# Allegro board A523-EVB-AXP717C-LPDDR4-4X-32X1-V1-0.brd (continued)
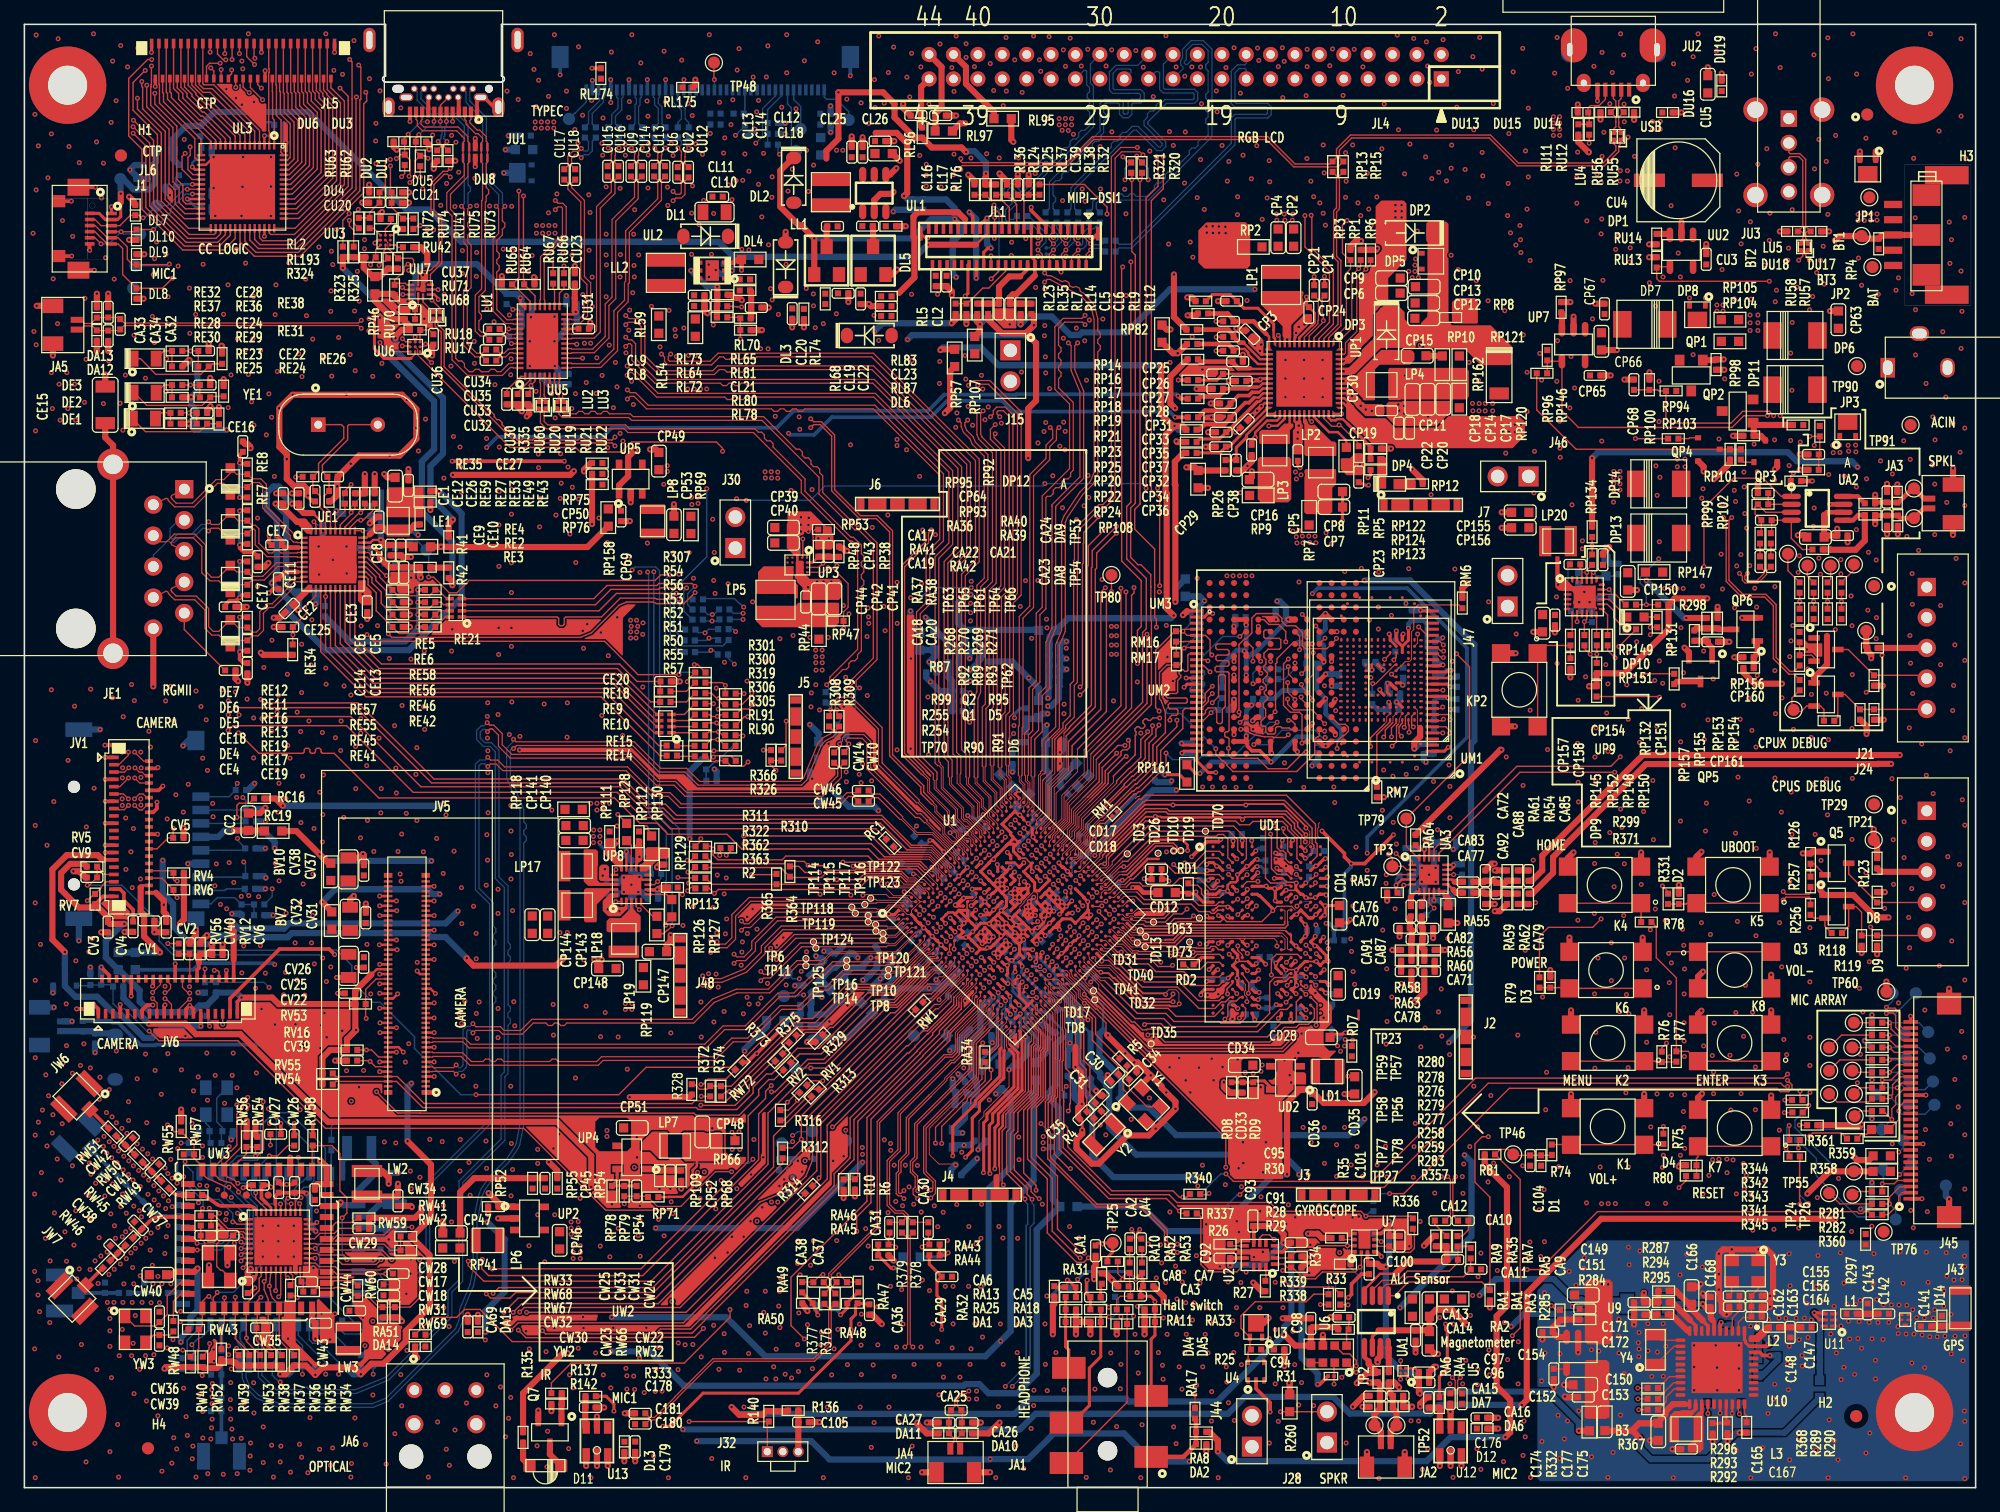
[diagram p0: board, top side]
## Nets (continued)
NDQ3: U1.N28(PC13/NAND-DQ3/SDC2-D1/PC-EINT13) UM1.H4(DAT1) UM2.D5(IO3/DQ3-1) UM2.P9(IO3/DQ3-0) UM3.32(IO3)
NDQ4: U1.P27(PC11/NAND-DQ4/SDC2-D5/SPIF-D4/P) UM1.J4(DAT5) UM2.D9(IO4/DQ4-1) UM2.P5(IO4/DQ4-0) UM3.41(IO4)
NDQ5: U1.P28(PC10/NAND-DQ5/SDC2-D0/SPIF-D5/P) UM1.H3(DAT0) UM2.E10(IO5/DQ5-1) UM2.N4(IO5/DQ5-0) UM3.42(IO5)
NDQ6: U1.R27(PC9/NAND-DQ6/SDC2-D4/SPIF-D6/PC) UM1.J3(DAT4) UM2.F10(IO6/DQ6-1) UM2.M4(IO6/DQ6-0) UM3.43(IO6)
NDQ7: U1.R28(PC8/NAND-DQ7/SDC2-D3/SPIF-D7/PC) UM1.J2(DAT3) UM2.F11(IO7/DQ7-1) UM2.M3(IO7/DQ7-0) UM3.44(IO7)
NDQS: U1.N29(PC12/NAND-DQS/SPI0-CLK/SPIF-CLK) UM2.E6(DQS-1) UM2.N8(DQS-0) UM3.35(NC16)
NQON: RP145.2 UP9.7(NQON)
NRB0: RM9.1 RM15.1 RM17.2 U1.R29(PC6/NAND-RB0/SDC2-CMD/PC-EINT6) UM1.W5(CMD) UM2.J5(RB0#-0) UM3.7(RB1#)
NRB1: RM3.1 RM14.1 RM16.2 U1.R25(PC7/NAND-RB1/SPI0-CS1/SPIF-DQS/) UM2.J9(RB0#-1) UM3.4(RB4#) UM3.5(RB3#)
NRBX: RM16.1 RM17.1 UM3.6(RB2#)
NRE: RM1.2 UM1.W6(CLK) UM2.E8(RE#/W/R#-1) UM2.N6(RE#/W/R#-0) UM3.8(RE#)
NWE: RM10.1 U1.R24(PC0/NAND-WE/SDC2-DS/PC-EINT0) UM1.R5(RFU/DATA STROBE) UM2.F8(WE#/CLK-1) UM2.M6(WE#/CLK-0) UM3.18(WE#)
NWP: CM17.1 RM13.1 UM2.H5(WP#-1) UM2.K9(WP#-0) UM3.19(WP#)
OTG-EN: QP4.3(C) RP96.1 RP99.1 RP102.1
OWA-OUT: R300.1 RA51.1
PA-EN: R357.1 R361.2
PA-SHDN: R301.1 R361.1 RA3.2 RA36.2 UA1.1(EN) UA2.1(EN)
PA-VDD: BA1.2 CA13.1 CA14.1 CA21.1 CA22.1 UA1.6(VDD) UA2.6(VDD)
PB13: R320.1 RL187.1 U1.L28(PB13/TWI4-SCK/UART7-TX/SPI1-MOS)
PB14: R321.1 RL188.1 U1.L29(PB14/TWI4-SDA/UART7-RX/SPI1-MIS)
PCIE21-CLKREQN: R317.1 RW70.1 RW73.2
PCIE21-CLKREQN-1V8: RW70.2 UW1.37(PCIE_CLKREQ_L)
PCIE21-PERSTN: R315.1 RW19.1
PCIE21-PERSTN-1V8: RW19.2 UW1.12(PCIE_PERST_L)
PCIE21-RDN: CW13.2 R308.1
PCIE21-RDP: CW9.2 R309.1
PCIE21-REFCLKN: CW46.2 U1.C14(PCIE-REF-CLKN)
PCIE21-REFCLKP: CW45.2 U1.B14(PCIE-REF-CLKP)
PCIE21-REXT: R20.2 U1.E14(PCIE-REXT)
PCIE21-TEST: J15.2 U1.F14(PCIE-TEST)
PCIE21-WAKEN: R316.1 RW71.1 RW72.1
PCIE21-WAKEN-1V8: RW71.2 UW1.24(PCIE_PME_L)
PCIE-RDN: CW14.1 UW1.44(PCIE_RX_N)
PCIE-RDP: CW10.1 UW1.45(PCIE_RX_P)
PCIE-REFCLKN: CW46.1 UW1.33(PCIE_RCLK_N)
PCIE-REFCLKP: CW45.1 UW1.35(PCIE_RCLK_P)
PCIE-TDN: CW13.1 UW1.46(PCIE_TX_N)
PCIE-TDP: CW9.1 UW1.47(PCIE_TX_P)
PE1: R328.2 R372.1 R374.1 U1.J2(PE1/TWI2-SCK/UART4-TX/PE-EINT1)
PE2: R329.2 R373.1 R375.1 U1.K2(PE2/TWI2-SDA/UART4-RX/PE-EINT2)
PE10: TP109.1(TP) U1.N1(PE10/MCSI3-MCLK/PWM-3/NCSI-D12/)
PG2: R312.2 R315.2 U1.P3(PG2/SDC1-D0/PCIE0-PERSTN/PG-EIN)
PG3: R313.2 R316.2 U1.P2(PG3/SDC1-D1/PCIE0-WAKEN/PG-EINT)
PG4: R314.2 R317.2 U1.T3(PG4/SDC1-D2/PCIE0-CLKREQN/PG-EI)
PG10: TP87.1(TP) U1.U1(PG10/I2S1-MCLK/PG-EINT10)
PH0: R45.1 RL88.1 U1.F10(PH0/TWI0-SCK/RGMII0-RXD1/RMII0-)
PH1: R46.1 RL89.1 U1.E10(PH1/TWI0-SDA/RGMII0-RXD0/RMII0-)
PH2: R48.1 R310.2 U1.D10(PH2/TWI1-SCK/CPU-CUR-W/I2S2-DIN)
PH3: R49.1 R311.2 U1.B10(PH3/TWI1-SDA/IR-TX/I2S2-DIN2/RG)
PH4: R52.1 R319.2 U1.A10(PH4/UART3-TX/SPI1-CS0/CPU-CUR-W)
PH5: R53.1 R322.2 U1.B9(PH5/UART3-RX/SPI1-CLK/LEDC/RGMI)
PH6: R54.1 R301.2 U1.C9(PH6/UART3-RTS/SPI1-MOSI/OWA-IN/)
PH7: R56.1 R300.2 U1.F8(PH7/UART3-CTS/SPI1-MISO/OWA-OUT)
PH8: R326.2 R366.1 U1.E8(PH8/DMIC-CLK/SPI2-CS0/I2S2-MCLK)
PH9: R57.1 RL90.1 U1.D8(PH9/DMIC-DATA0/SPI2-CLK/I2S2-BC)
PH10: R55.1 RL91.1 U1.B8(PH10/DMIC-DATA1/SPI2-MOSI/I2S2-)
PH11: R362.2 R364.1 U1.A8(PH11/DMIC-DATA2/SPI2-MISO/I2S2-)
PH12: R363.2 R365.1 U1.C7(PH12/DMIC-DATA3/TWI3-SCK/I2S2-D)
PH13: R2.2 R59.1 U1.B7(PH13/TWI3-SDA/I2S3-MCLK/RGMII0-)
PH14: R1.2 R43.1 U1.A6(PH14/I2S3-BCLK/RGMII0-RXD3/RMII)
PH15: R3.2 R44.1 U1.B6(PH15/I2S3-LRCK/RGMII0-RXD2/RMII)
PH16: R47.1 R304.2 U1.A5(PH16/I2S3-DOUT0/I2S3-DIN1/RGMII)
PH17: R50.1 R305.2 U1.B5(PH17/I2S3-DOUT1/I2S3-DIN0/RGMII)
PH18: R51.1 R306.2 U1.D6(PH18/IR-TX/I2S3-DOUT2/I2S3-DIN2)
PH19: R58.1 R307.2 U1.E6(PH19/IR-RX/I2S3-DOUT3/I2S3-DIN3)
PHYRSTB: CE25.2 R58.2 RE34.2 UE1.12(PHYRSTB)
PK10: TP88.1(TP) U1.G5(PK10/MCSIB-CKN/TWI3-SCK/PK-EINT)
PK11: TP89.1(TP) U1.G4(PK11/MCSIB-CKP/TWI3-SDA/PK-EINT)
PL4: R336.2 R346.1 U1.AH9(PL4/S-JTAG-MS/S-CAN-TX0/S-PWM-4)
PL5: R337.2 R347.1 U1.AJ9(PL5/S-JTAG-CK/S-CAN-RX0/S-PWM-5)
PL6: R338.2 R348.1 U1.AE9(PL6/S-JTAG-DO/S-PWM-6/I2S0-DIN1)
PL7: R339.2 R349.1 U1.AF9(PL7/S-JTAG-DI/S-PWM-7/I2S0-DOUT)
PL8: R340.2 R350.1 U1.AG10(PL8/S-TWI1-SCK/S-DJTAG-MS/S-RJT)
PL9: R341.2 R351.1 U1.AG9(PL9/S-TWI1-SDA/S-DJTAG-CK/S-RJT)
PL10: R342.2 R352.1 U1.AC9(PL10/S-PWM-0/S-DJTAG-DO/S-RJTAG)
PL11: R343.2 R353.1 U1.AD9(PL11/S-IR-RX/S-DJTAG-DI/S-RJTAG)
PL12: R344.2 R354.1 U1.AF7(PL12/S-TWI2-SCK/S-PWM-8/S-UART0)
PL13: R345.2 R355.1 U1.AE7(PL13/S-TWI2-SDA/S-PWM-9/S-UART0)
PLLTEST: J28.2 R260.1 U1.AD13(PLLTEST)
PMU-SCK: RP1.2 RP127.1 U1.AJ7(PL0/S-TWI0-SCK/S-PL-EINT0) UP1.52(SCK) UP3.A3(SCL)
PMU-SDA: RP6.2 RP126.1 U1.AH7(PL1/S-TWI0-SDA/S-PL-EINT1) UP1.51(SDA) UP3.B1(SDA)
PS: C149.1 C151.1 CD34.1 CP3.1 CP5.1 CP11.1 CP24.1 CP29.1 CP30.1 CP39.1 CP40.1 CP46.1 CP49.1 CP51.1 CP139.1 CP145.1 CP146.1 J46.2 R284.2 RL54.1 RL192.1 RP120.2 RP162.1 RV12.1 U9.1(VIN) UD2.4(IN) UP1.9(VIN1) UP1.15(ALDOIN) UP1.20(BLDOIN) UP1.25(CLDOIN) UP1.31(VIN3) UP1.32(VIN2) UP1.43(VSYS_1) UP1.44(VSYS_2) UP2.4(IN) UP3.D1(AVIN) UP3.D2(PVIN_1) UP3.E1(PVIN_2) UP3.E2(PVIN_3) UP4.4(IN) UP5.4(IN) UP8.2(VIN3) UP8.17(VIN1) UP8.20(VIN2)
PS-EINT: R31.1 R319.1 U6.2(/INT)
PWRON: CP1.1 R79.1 UP1.6(PWRON)
REGOUT: CE8.1 LE1.1 RE3.1 UE1.30(REG_OUT)
RGMII-CLKIN-125M: CE23.1 R49.2 RE27.1
RGMII-MDC: R57.2 RE14.1
RGMII-MDIO: R55.2 RE15.1
RGMII-RXCK: CE21.1 R47.2 RE20.1 TP19.1(TP)
RGMII-RXCTL: R48.2 RE22.1
RGMII-RXD0: R46.2 RE21.4(R4)
RGMII-RXD1: R45.2 RE21.3(R3)
RGMII-RXD2: R44.2 RE21.2(R2)
RGMII-RXD3: R43.2 RE21.1(R1)
RGMII-TXCK: R54.2 RE18.1
RGMII-TXCTL: R56.2 RE9.1
RGMII-TXD0: R53.2 RE10.4(R4)
RGMII-TXD1: R52.2 RE10.3(R3)
RGMII-TXD2: R51.2 RE10.2(R2)
RGMII-TXD3: R50.2 RE10.1(R1)
RSET: RE40.2 UE1.39(RSET)
RTC-I: U10.12(RTC_I) Y4.1
RTC-O: U10.11(RTC_O) Y4.2
RX00: JL5.37 UL3.4(X_0)
RX01: JL5.38 UL3.5(X_1)
RX02: JL5.39 UL3.6(X_2)
RX03: JL5.40 UL3.7(X_3)
RX04: JL5.41 UL3.8(X_4)
RX05: JL5.42 UL3.9(X_5)
RX06: JL5.43 UL3.10(X_6)
RX07: JL5.44 UL3.11(X_7)
RX08: JL5.45 UL3.12(X_8)
RX09: JL5.46 UL3.13(X_9)
RX10: JL5.47 UL3.14(X_10)
RX11: JL5.48 UL3.15(X_11)
RX12: JL5.49 UL3.16(X_12)
RX13: JL5.36 UL3.25(X_13)
RX14: JL5.35 UL3.26(X_14)
RX15: JL5.34 UL3.27(X_15)
RX16: JL5.33 UL3.28(X_16)
RX17: JL5.32 UL3.29(X_17)
RX18: JL5.31 UL3.30(X_18)
RX19: JL5.30 UL3.31(X_19)
RX20: JL5.29 UL3.32(X_20)
RX21: JL5.28 UL3.33(X_21)
RX22: JL5.27 UL3.34(X_22)
RX23: JL5.26 UL3.35(X_23)
RX24: JL5.25 UL3.36(X_24)
RX25: JL5.24 UL3.37(X_25)
RX26: JL5.23 UL3.38(X_26)
RX27: JL5.22 UL3.39(X_27)
RX-1N: DU9.2(IN2) DU9.9(OUT2) JU1.B10(RX1-) UU5.31(RX1N)
RX-1P: DU9.1(IN1) DU9.10(OUT1) JU1.B11(RX1+) UU5.30(RX1P)
RX-2N: DU8.2(IN2) DU8.9(OUT2) JU1.A10(RX2-) UU5.39(RX2N)
RX-2P: DU8.1(IN1) DU8.10(OUT1) JU1.A11(RX2+) UU5.40(RX2P)
RXC/PHYAD1: RE20.2 RE47.2 RE48.1 UE1.27(RXC/PHYAD1)
RXCTL/PHYAD2: RE22.2 RE51.2 RE52.1 UE1.26(RXCTL/PHYAD2)
RXD0/RXDLY: RE21.5(R5) RE57.2 RE58.1 UE1.25(RXD0/RXDLY)
RXD1/TXDLY: RE21.6(R6) RE55.2 RE56.1 UE1.24(RXD1/TXDLY)
RXD2/PLLOFF: RE21.7(R7) RE45.2 RE46.1 UE1.23(RXD2/PLLOFF)
RXD3/PHYAD0: RE21.8(R8) RE41.2 RE42.1 UE1.22(RXD3/PHYAD0)
S-PWM-9: J44.2 U1.AH6(PM5/S-IR-RX/S-RJTAG-DI/S-TWI2-S)
SAA0: U1.AE29(SA2) UD1.H2(CA0_A)
SAA1: U1.AE28(SA11) UD1.J2(CA1_A)
SAA2: U1.AC26(SA1) UD1.H9(CA2_A)
SAA3: U1.AC25(SA10) UD1.H10(CA3_A)
SAA4: U1.AE26(SA17) UD1.H11(CA4_A)
SAA5: TD22.1(TP) U1.AE27(SA9) UD1.J11(CA5_A)
SAB0: TD23.1(TP) U1.AE21(SBA1) UD1.R2(CA0_B)
SAB1: U1.AD21(SA4) UD1.P2(CA1_B)
SAB2: U1.AG21(SA8) UD1.R9(CA2_B)
SAB3: U1.AF21(SBA0) UD1.R10(CA3_B)
SAB4: U1.AE23(SA16) UD1.R11(CA4_B)
SAB5: U1.AG25(SACT) UD1.P11(CA5_B)
SBU1: DU3.2(CATHODE) JU1.A8(SBU1) RU62.2 UU6.A1(SNS1) UU6.B1(CON1)
SBU1-1: RU62.1 RU65.1 UU5.27(SBU1)
SBU2: DU6.2(CATHODE) JU1.B8(SBU2) RU63.2 UU6.A3(SNS2) UU6.B3(CON2)
SBU2-1: RU63.1 RU64.1 UU5.26(SBU2)
SCKE0-A: U1.AH27(SCKE0) UD1.J4(CKE0_A)
SCKE0-B: U1.AJ23(SA6) UD1.P4(CKE0_B)
SCKE1-A: U1.AG27(SA12) UD1.J5(CKE1_A)
SCKE1-B: U1.AH23(SBG1) UD1.P5(CKE1_B)
SCKN-A: TD40.1(TP) U1.AJ26(SCKN) UD1.J9(CK_C_A)
SCKN-B: TD41.1(TP) U1.AJ25(SA15) UD1.P9(CK_C_B)
SCKP-A: TD31.1(TP) U1.AH26(SCKP) UD1.J8(CK_T_A)
SCKP-B: TD32.1(TP) U1.AH24(SA14) UD1.P8(CK_T_B)
SCS0-A: TD13.1(TP) U1.AJ28(SCS0) UD1.H4(CS0_A)
SCS0-B: TD14.1(TP) U1.AF25(SA13) UD1.R4(CS0_B)
SCS1-A: U1.AH28(SCS1) UD1.H3(CS1_A)
SCS1-B: U1.AF23(SA5) UD1.R3(CS1_B)
SDC0-CLK: DC8.2(CATHODE) JC1.5(CLK) RC1.2
SDC0-CMD: DU22.2(CATHODE) JC1.3(CMD) RC16.1 U1.A12(PF3/SDC0-CMD/JTAG-DO/TRACE-DATA)
SDC0-D0: DC7.2(CATHODE) JC1.7(DAT0) U1.B13(PF1/SDC0-D0/JTAG-DI/TRACE-DATA1)
SDC0-D1: DC6.2(CATHODE) JC1.8(DAT1) U1.C13(PF0/SDC0-D1/JTAG-MS/TRACE-DATA2)
SDC0-D2: DC10.2(CATHODE) JC1.1(DAT2) U1.B11(PF5/SDC0-D2/JTAG-CK/TRACE-CLK/I)
SDC0-D3: DC9.2(CATHODE) JC1.2(DAT3) U1.C11(PF4/SDC0-D3/UART0-RX/I2S3-DIN3/)
SDC0-DET: RC20.1 U1.C12(PF6/I2S3-MCLK/PF-EINT6)
SDQ0: U1.AA24(SDQ0) UD1.E4(DQ5_A)
SDQ1: U1.AA23(SDQ1) UD1.F4(DQ4_A)
SDQ2: U1.AC28(SDQ2) UD1.E2(DQ2_A)
SDQ3: U1.AD29(SDQ3) UD1.F2(DQ3_A)
SDQ4: U1.AA26(SDQ4) UD1.B2(DQ0_A)
SDQ5: TD3.1(TP) TD70.1(TP) U1.Y28(SDQ5) UD1.B4(DQ7_A)
SDQ6: U1.AA27(SDQ6) UD1.C2(DQ1_A)
SDQ7: U1.Y29(SDQ7) UD1.C4(DQ6_A)
SDQ8: U1.W23(SDQ8) UD1.E9(DQ13_A)
SDQ9: U1.W24(SDQ9) UD1.F9(DQ12_A)
SDQ10: U1.W26(SDQ10) UD1.B9(DQ15_A)
SDQ11: U1.W27(SDQ11) UD1.C9(DQ14_A)
SDQ12: U1.U29(SDQ12) UD1.C11(DQ9_A)
SDQ13: U1.U27(SDQ13) UD1.B11(DQ8_A)
SDQ14: U1.U24(SDQ14) UD1.F11(DQ11_A)
SDQ15: U1.U23(SDQ15) UD1.E11(DQ10_A)
SDQ16: U1.AH21(SDQ16) UD1.U2(DQ3_B)
SDQ17: U1.AJ21(SDQ17) UD1.V2(DQ2_B)
SDQ18: U1.AD19(SDQ18) UD1.U4(DQ4_B)
SDQ19: U1.AF19(SDQ19) UD1.Y2(DQ1_B)
SDQ20: U1.AG19(SDQ20) UD1.V4(DQ5_B)
SDQ21: U1.AH18(SDQ21) UD1.AA2(DQ0_B)
SDQ22: U1.AJ17(SDQ22) UD1.AA4(DQ7_B)
SDQ23: U1.AC17(SDQ23) UD1.Y4(DQ6_B)
SDQ24: U1.AC15(SDQ24) UD1.AA9(DQ15_B)
SDQ25: U1.AD15(SDQ25) UD1.AA11(DQ8_B)
SDQ26: U1.AF15(SDQ26) UD1.V11(DQ10_B)
SDQ27: TD18.1(TP) TD71.1(TP) U1.AG15(SDQ27) UD1.Y11(DQ9_B)
SDQ28: U1.AH17(SDQ28) UD1.U9(DQ12_B)
SDQ29: U1.AG17(SDQ29) UD1.U11(DQ11_B)
SDQ30: U1.AF17(SDQ30) UD1.Y9(DQ14_B)
SDQ31: U1.AD17(SDQ31) UD1.V9(DQ13_B)
SDQM0: U1.AA29(SDQM0) UD1.C3(DM0_A)
SDQM1: U1.W28(SDQM1) UD1.C10(DM1_A)
SDQM2: U1.AH20(SDQM2) UD1.Y3(DM0_B)
SDQM3: U1.AJ16(SDQM3) UD1.Y10(DM1_B)
SDQS0N: TD19.1(TP) TD66.1(TP) U1.AB29(SDQS0N) UD1.E3(DQS0N_A)
SDQS0P: TD10.1(TP) TD69.1(TP) U1.AB28(SDQS0P) UD1.D3(DQS0P_A)
SDQS1N: U1.V29(SDQS1N) UD1.E10(DQS1N_A)
SDQS1P: U1.V28(SDQS1P) UD1.D10(DQS1P_A)
SDQS2N: U1.AJ19(SDQS2N) UD1.V3(DQS0N_B)
SDQS2P: U1.AH19(SDQS2P) UD1.W3(DQS0P_B)
SDQS3N: TD17.1(TP) TD38.1(TP) U1.AJ15(SDQS3N) UD1.V10(DQS1N_B)
SDQS3P: TD8.1(TP) TD29.1(TP) U1.AH15(SDQS3P) UD1.W10(DQS1P_B)
SPKL+: CA23.1 CA79.1 DA8.2(CATHODE) JA3.1 RA39.2 TP54.1(TP)
SPKL-: CA24.1 CA85.1 DA9.2(CATHODE) JA3.2 RA40.2 TP53.1(TP)
SPKR+: CA15.1 CA71.1 DA7.2(CATHODE) JA2.1 RA6.2 TP2.1(TP)
SPKR-: CA16.1 CA78.1 DA6.2(CATHODE) JA2.2 RA4.2 TP52.1(TP)
SRST: U1.AC19(SRST) UD1.T11(RESET-N)
SW: CP15.2 DP3.1 LP4.2 UP1.45(SW_1) UP1.46(SW_2)
SW-OUT: CP14.2 CP17.2 CP18.2 LP4.1 RP10.1 RP120.1 RP121.2 RP122.2
TS: BT2.1(TP) JP1.3 JP2.2(TS) RP4.2 RP134.1 UP1.39(TS)
TWI0-SCK: DL9.2(CATHODE) J1.5(CTP-SCK) JL1.25 JL6.3 RL88.2 RL193.2 TP82.1(TP) UL3.20(SCL)
TWI0-SDA: DL8.2(CATHODE) J1.6(CTP-SDA) JL1.26 JL6.4 RL2.2 RL89.2 TP4.1(TP) UL3.19(SDA)
TWI1-SCK: R28.2 R310.1 U2.13(SCL/SCLK) U5.A2(SCL) U6.7(SCL) U7.12(SCX)
TWI1-SDA: R29.2 R311.1 U2.14(SDA/SDIO/SDI) U5.B2(SDA) U6.1(SDA) U7.2(SDX)
TWI2-SCK: J45.29 R374.2 TP92.1(TP)
TWI2-SDA: J45.28 R375.2 TP93.1(TP)
TWI5-SCK: R323.2 RP150.2 RU66.2 U1.L26(PB11/TWI5-SCK/UART7-RTS/SPI1-CS) UA3.16(SCK) UU3.B3(SCL)
TWI5-SDA: R324.2 RP151.2 RU67.2 U1.L27(PB12/TWI5-SDA/UART7-CTS/SPI1-CL) UA3.17(SDA) UU3.C3(SDA)
TX00: JL5.2 UL3.41(Y_0)
TX01: JL5.3 UL3.42(Y_1)
TX02: JL5.4 UL3.43(Y_2)
TX03: JL5.5 UL3.44(Y_3)
TX04: JL5.6 UL3.45(Y_4)
TX05: JL5.7 UL3.46(Y_5)
TX06: JL5.8 UL3.47(Y_6)
TX07: JL5.9 UL3.48(Y_7)
TX08: JL5.10 UL3.49(Y_8)
TX09: JL5.11 UL3.50(Y_9)
TX10: JL5.12 UL3.51(Y_10)
TX11: JL5.13 UL3.52(Y_11)
TX12: JL5.14 UL3.53(Y_12)
TX13: JL5.15 UL3.54(Y_13)
TX14: JL5.16 UL3.55(Y_14)
TX15: JL5.17 UL3.56(Y_15)
TX16: JL5.18 UL3.1(Y_16)
TX17: JL5.19 UL3.2(Y_17)
TX-1N: CU35.1 UU5.34(TX1N)
TX-1N-1: CU35.2 DU8.4(IN3) DU8.7(OUT3) JU1.A3(TX1-)
TX-1P: CU34.1 UU5.33(TX1P)
TX-1P-1: CU34.2 DU8.5(IN4) DU8.6(OUT4) JU1.A2(TX1+)
TX-2N: CU33.1 UU5.36(TX2N)
TX-2N-1: CU33.2 DU9.4(IN3) DU9.7(OUT3) JU1.B3(TX2-)
TX-2P: CU32.1 UU5.37(TX2P)
TX-2P-1: CU32.2 DU9.5(IN4) DU9.6(OUT4) JU1.B2(TX2+)
TXC: CE20.1 RE18.2 UE1.20(TXC)
TXCTL: RE9.2 UE1.19(TXCTL)
TXD0: RE10.5(R5) UE1.18(TXD0)
TXD1: RE10.6(R6) UE1.17(TXD1)
TXD2: RE10.7(R7) UE1.16(TXD2)
TXD3: RE10.8(R8) UE1.15(TXD3)
U3-PCIE21-RXN: R308.2 RU15.2 U1.B16(PCIE-RX0-DN/USB3-RXN)
U3-PCIE21-RXP: R309.2 RU16.2 U1.A16(PCIE-RX0-DP/USB3-RXP)
U3-PCIE21-TXN: CU11.1 CW14.2 U1.C15(PCIE-TX0-DN/USB3-TXN)
U3-PCIE21-TXP: CU10.1 CW10.2 U1.B15(PCIE-TX0-DP/USB3-TXP)
U/D: JL1.23 RL24.1 RL36.2
USB0-DM: LU4.1 RP15.2 RU55.2 U1.B18(USB0-DM)
USB0-DM-1: DU14.2(CATHODE) JU2.2(D-) LU4.2 RU55.1
USB0-DP: LU4.4 RP13.2 RU56.2 U1.A18(USB0-DP)
USB0-DP-1: DU15.2(CATHODE) JU2.3(D+) LU4.3 RU56.1
USB0-DRVVBUS: R344.1 RP96.2 RP146.2 UP7.4(EN)
USB0-ID: R1.1 RP103.1 RU12.2
USB0-REXT: R17.2 U1.E18(USB0-REXT)
USB1-DM: LU5.1 RU57.2 U1.E20(USB1-DM)
USB1-DM-1: DU17.2(CATHODE) JU3.2(D-) LU5.2 RU57.1
USB1-DP: LU5.4 RU58.2 U1.D20(USB1-DP)
USB1-DP-1: DU18.2(CATHODE) JU3.3(D+) LU5.3 RU58.1
USB1-DRVVBUS: R341.1 RU13.2 UU2.4(EN)
USB1-REXT: R18.2 U1.D18(USB1-REXT)
USB2-DM: LU1.4 RU18.2 U1.C17(USB2-DM)
USB2-DP: LU1.1 RU17.2 U1.B17(USB2-DP)
USB2-REXT: R19.2 U1.D16(USB2-REXT)
USB2-SW: R362.1 RU69.1 UU7.4(SEL)
USB2-SW-EN: R3.1 RU70.1 UU7.8(EN)
USB3-RXN: LU2.4 RU15.1 RU20.2
USB3-RXN-1: LU2.3 RU20.1 UU5.4(SSRXN)
USB3-RXP: LU2.1 RU16.1 RU19.2
USB3-RXP-1: LU2.2 RU19.1 UU5.5(SSRXP)
USB3-TXN: CU11.2 LU3.4 RU21.2
USB3-TXN-1: LU3.3 RU21.1 UU5.7(SSTXN)
USB3-TXP: CU10.2 LU3.1 RU22.2
USB3-TXP-1: LU3.2 RU22.1 UU5.8(SSTXP)
USB-VBUS: QP1.3(DRAIN) QP2.3(DRAIN) RP94.2
USB-VBUSDET: CP68.2 R342.1 RP94.1 RP100.2
USBVBUS: DP7.2 DP8.3 DP13.1 DP14.1 DU16.2(CATHODE) JU2.1(VBUS) QP1.2(SOURCE) RP104.1 RP105.1 RP147.1
USBVBUS-H: CP150.1 CP151.1 CU7.1 CU8.1 DP13.2 DP14.2 DU7.1 DU7.2 JU1.A4(VBUS1) JU1.A9(VBUS2) JU1.B4(VBUS3) JU1.B9(VBUS4) RP147.2 RP153.2 UP9.18(BUS1) UP9.19(BUS2) UU3.A2(VBUS)
VCM-ADC: C67.1 U1.U6(VCM-ADC)
VCOM: CL2.1 JL1.40 RL1.1 RL5.2
VGH-LCD: CL20.1 DL4.2 JL1.34 RL68.2 RL74.2
VGL-LCD: CL23.1 DL6.1 JL1.35 RL83.2 RL87.2
VLED+: CL10.1 CL11.1 DL1.2 JL1.32 JL1.33
VLED-: JL1.30 JL1.31 RL65.1 RL70.1
VMID: CP10.2 CP12.2 CP13.2 DP2.2 DP3.2 DP5.3 RP8.2 RP162.2 UP1.47(VMID_1) UP1.48(VMID_2)
VPS0: RM11.1 UM3.38(VSS3)
VPS1: RM12.1 UM3.28(NC13)
VRA1: C64.1 U1.AC4(VRA1)
VRA2: C65.1 U1.AC3(VRA2)
VREFP-ADC: C68.1 R13.2 U1.W6(VREFP-ADC)
VREFQ: CM5.1 CM7.2 RM4.1 RM5.2 UM2.F9(VERFQ-1) UM2.M5(VREFQ-0)
VRP: C66.1 R143.1 U1.AA4(VRP)
WIFI-XTAL-IN: CW36.1 UW3.10(XTAL_IN) YW3.1(XIN)
WIFI-XTAL-OUT: RW48.1 UW3.11(XTAL_OUT)
WL-REG-ON: RW40.1 RW43.2 U1.AJ3(PM1/S-UART0-RX/S-UART1-RX/S-PWM) UW1.15(WL_REG_ON) UW2.24(WL_RSTN) UW3.12(WL_REG_ON)
WL-SDIO-CLK: CW35.2 RW1.2 RW36.1 UW2.16(HIFCLK) UW3.17(SDIO_DATA_CLK)
WL-SDIO-CMD: RW37.1 U1.R2(PG1/SDC1-CMD/PG-EINT1) UW2.12(HIF1) UW3.16(SDIO_DATA_CMD)
WL-SDIO-D0: R312.1 RW35.1 UW2.13(HIF2) UW3.18(SDIO_DATA_0)
WL-SDIO-D1: R313.1 RW34.1 UW2.14(HIF3) UW3.19(SDIO_DATA_1)
WL-SDIO-D2: R314.1 RW39.1 UW2.17(HIF5) UW3.14(SDIO_DATA_2)
WL-SDIO-D3: RW38.1 U1.T2(PG5/SDC1-D3/PG-EINT5) UW2.15(HIF4) UW3.15(SDIO_DATA_3)
WL-WAKE-AP: U1.AJ4(PM0/S-UART0-TX/S-UART1-TX/S-PWM) UW1.16(WL_HOST_WAKE) UW2.35(WIRQ) UW3.13(WL_HOST_WAKE)
WREQIN: R334.1 RW66.1 U1.AE13(WREQIN)
X32KIN: C31.1 R4.1 U1.AH12(X32KIN) Y2.1
X32KOUT: C35.1 R4.2 U1.AH11(X32KOUT) Y2.2
XTAL1: CW30.1 UW2.4(HXTAL1) YW2.1(XIN)
XTAL2: RW67.1 RW68.1 UW2.3(HXTAL2)
XTAL-I: C162.1 C163.2 U10.3(TCXO_IN)
XTAL-IN: CE27.1 RE59.2 UE1.36(XTAL_IN) YE1.2
XTAL-OUT: CE26.1 RE35.2 UE1.37(XTAL_OUT/EXT_CLK) YE1.1
N1087342: CP15.1 RP10.2
N1088260: DP4.1 RP12.2
N1088466: CP25.1 RP14.2 UP1.13(ALDO1)
N1088629: CP26.1 RP16.2 UP1.14(ALDO2)
N1088707: CP27.1 RP17.2 UP1.16(ALDO3)
N1088786: CP28.1 RP18.2 UP1.17(ALDO4)
N1089598: CP31.1 RP19.2 UP1.18(BLDO1)
N1089793: CP33.1 RP21.2 UP1.19(BLDO2)
N1089860: CP35.1 RP23.2 UP1.21(BLDO3)
N1089928: CP37.1 RP25.2 UP1.22(BLDO4)
N1091371: CP32.1 RP20.1 UP1.23(CLDO1)
N1091434: CP34.1 RP22.1 UP1.24(CLDO2)
N1091500: CP36.1 RP24.1 UP1.26(CLDO3)
N1091567: CP38.1 RP26.1 UP1.27(CLDO4)
N1091840: RC1.1 U1.B12(PF2/SDC0-CLK/UART0-TX/I2S3-DIN2)
N1092981: RP13.1 UP1.3(DP)
N1092985: RP15.1 UP1.2(DM)
N1093724: RP11.1 UP1.35(VRTC)
N1093956: CP21.1 UP1.7(VREF)
N1094712: LP3.1 UP1.30(LX3)
N1094791: CP16.1 LP3.2 RP9.1
N1095302: LP2.1 UP1.33(LX2)
N1095364: CP7.1 CP8.1 LP2.2 RP7.1
N1096390: LP1.1 UP1.10(LX1_1) UP1.11(LX1_2)
N1096517: CP2.1 CP4.1 LP1.2 RP2.1
N16421057: C34.1 R5.2 Y1.3(XOUT)
N16566582: RP97.1 UP7.3(ISET)
N16566747: CP66.2 CP67.2 DP7.1 QP1.1(GATE) RP98.2 UP7.1(OUT)
N16567953: QP2.1(GATE) QP3.3(C) RP95.1 RP101.2
N16568422: QP3.1(B) RP102.2
N16568800: QP4.1(B) RP103.2
N16661587: CL16.2 CL17.1 DL2.1 LL1.2 UL1.1(LX)
N16662202: CL15.2 RL63.1 RL76.2 UL1.3(FB)
N16662230: CL17.2 DL5.3
N16662659: CL16.1 DL3.3
N16663042: CL19.1 DL3.2 RL68.1
N16664614: CL22.1 DL5.1 RL83.1
N16794099: RW33.1 UW2.40(ANT)
N16798343: CW26.1 UW2.38(VDD33_PA)
N16798378: CW27.1 UW2.2(VDD12_CLK)
N16798443: CW28.1 UW2.21(VDD12_DIG)
N16798500: CW29.1 UW2.26(VDD_RTC)
N16798814: RW41.1 RW42.1 UW2.25(LDO_SEL)
N16799414: CW31.1 CW33.1 CW34.1 LW2.2 UW2.1(VDD14_RX) UW2.22(VDD14_DIG) UW2.28(SENSE) UW2.36(VDD14_TX)
N16799432: LW2.1 UW2.29(VLX)
N16800403: CW32.1 RW67.2 YW2.3(XOUT)
N16805717: LW3.1 UW3.21(VIN_LDO_OUT)
N16805722: CW44.2 LW3.2 UW3.23(VIN_LDO)
N16805924: RW60.2 UW3.24(LPO)
N16806097: RW59.1 UW3.29(VDD_TCXO)
N16811138: CW41.2 RW49.2 RW50.1
N16811149: CW42.2 RW50.2 RW51.1
N16811502: JW6.3(TX/RX) RW51.2
N16811571: CW37.2 RW45.1 UW3.4(FM_RX)
N16811677: CW38.2 RW45.2 RW46.1
N16811938: JW7.3(TX/RX) RW46.2
N16813673: CW39.1 RW48.2 YW3.3(XOUT)
N16923769: R27.1 U2.1(SDO/AD0)
N16924183: R26.2 U2.7(FSYNC)
N17035175: CP43.2 RP38.1 RP48.2 UP3.A2(EN)
N17035212: RP53.2 UP3.A1(VSEL)
N17035282: LP5.1 UP3.D3(SW_1) UP3.D4(SW_2) UP3.E3(SW_3) UP3.E4(SW_4)
N17035310: CP41.1 CP42.1 CP44.1 LP5.2 RP44.1 RP47.2
N17036419: CP45.1 RP54.2 RP55.1 UP2.5(FB)
N17036421: CP45.2 CP47.1 LP6.2 RP41.1 RP55.2
N17036516: LP6.1 UP2.3(LX)
N17037266: CP54.1 RP78.2 RP79.1 UP4.5(FB)
N17037268: CP48.1 LP7.2 RP66.1 RP71.2
N17037327: LP7.1 UP4.3(LX)
N17038121: CP50.1 RP75.2 RP76.1 UP5.5(FB)
N17038143: CP50.2 CP53.1 LP8.2 RP69.1 RP76.2
N17038224: LP8.1 UP5.3(LX)
N17044842: CP52.2 RP68.2 RP109.2 UP4.1(EN)
N17337322: CL8.1 CL9.1 LL2.1 RL54.2 RL59.2 UL2.6(VIN)
N17337425: RL64.2 RL72.2 RL73.2 UL2.5(EN)
N17337534: CL21.1 RL80.1 RL81.2
N17337538: DL1.1 LL2.2 UL2.4(LX)
N17337608: RL65.2 RL81.1 UL2.1(FB)
N17426429: CA5.2 RA31.2
N17426431: CA6.2 RA32.2
N17426498: DA3.2(CATHODE) JA1.2(B) RA18.2
N17426503: DA2.2(CATHODE) JA1.1(E) RA8.1 RA17.2
N17426522: DA1.2(CATHODE) JA1.4(D) RA13.2 RA25.2
N17426640: DA4.2(CATHODE) JA1.5(A) RA11.2
N17467627: D2.2(CATHODE) K5.1 K5.3 R331.2
N17468103: K1.1 K1.3 R74.2 R75.1
N17468111: K2.1 K2.3 R76.2 R77.1
N17468127: K3.1 K3.3 R77.2 R78.1
N17468131: K8.1 K8.3 R75.2 R76.1
N17468138: K4.1 K4.3 R78.2
N17470655: D3.2(CATHODE) K6.1 K6.3 R79.2
N17471197: D4.2(CATHODE) K7.1 K7.3 R80.2
N17519084: DE3.1 RE32.2 RE37.1
N17519086: DE1.1 RE23.2 RE25.1
N17519099: DE1.2 RE24.2 RE26.2
N17519105: DE2.1 RE28.2 RE30.1
N17519132: DE2.2 RE29.2 RE31.2
N17519160: DE3.2 RE36.2 RE38.2
N17519961: CE16.1 RE7.2 RE8.2
N17519994: CE17.1 RE11.2 RE12.2
N17520011: CE19.1 RE17.2 RE19.2
N17520013: CE18.1 RE13.2 RE16.2
N17520052: CE9.1 CE10.1 LE1.2 RE2.1 RE3.2 RE4.1
N17520210: CE4.1 JE1.9(VCC)
N17525369: C105.2 J32.3(VCC) R136.1
N17526407: Q7.1(B) R137.2 R142.1
N17526892: J21.3 R95.2
N17526894: D6.2(CATHODE) J21.5 Q1.3(D) R90.2 R91.1
N17526923: Q2.2(S) R99.2 R255.1
N17526934: D5.2(CATHODE) J21.4 Q2.3(D)
N17528681: D11.2 Q7.3(C)
N17528689: D11.1 R135.1
N17534062: Q1.2(S) R90.1 R254.1 TP70.1(TP)
N17535435: J24.3 R123.2
N17535437: D9.2(CATHODE) J24.5 Q3.3(D) R118.2 R119.1
N17535446: Q5.2(S) R126.2 R257.1
N17535460: D8.2(CATHODE) J24.4 Q5.3(D)
N17535579: Q3.2(S) R118.1 R256.1
N17685568: RW66.2 UW2.18(CLKREQOUT)
N17798838: LP17.1 UP8.18(LX1)
N17798910: LP18.1 UP8.19(LX2)
N17798979: LP19.1 UP8.3(LX3)
N17799135: CP135.1 UP8.8(VREF)
N17799149: CP136.1 RP111.2 UP8.15(ALDO1)
N17799183: CP137.1 RP112.2 UP8.12(DLDO1)
N17799225: CP138.1 RP113.2 UP8.7(RTCLDO)
N17827806: CL27.1 UL2.2(NC)
N17890269: RP122.1 RP124.2 UP1.38(CHGLED)
N17890359: DP4.2 RP123.1 RP124.1
N17985538: RP127.2 UP8.6(SCL)
N17985543: RP128.2 UP8.13(PWROK)
N17985576: RP129.2 RP130.2 UP8.11(IRQ)
N17985621: RP126.2 UP8.5(SDA)
N18051541: RD5.1 U1.U25(SZQ)
N18054592: RD3.1 UD1.A5(ZQ0)
N18054594: RD4.1 UD1.A8(ZQ1)
N18054805: RD2.1 UD1.T2(ODT_CA_B)
N18054807: RD1.1 UD1.G2(ODT_CA_A)
N18060782: CD33.1 CD35.1 LD1.2 RD7.1 RD8.2
N18060877: LD1.1 UD2.3(LX)
N18060885: CD33.2 RD8.1 RD9.2 UD2.5(FB)
N18077256: RM6.2 UM1.T5(RFU/VSS4)
N18077260: RM7.2 UM1.H6(RFU/VSS5)
N18077723: RM2.2 UM2.K6(CE1#-0)
N18078189: RM3.2 UM2.J6(RB1#-0)
N18082854: CL25.2 JL4.43(V33D) RL96.2
N18082873: CL26.1 JL4.44(VBAT_5V) RL97.1
N18082895: JL4.42(V25D) RL95.1
N18083739: JL2.1(40_WP) TP47.1(TP)
N18084734: CL51.2 JL2.16(25_EDP_AUX_CH_N)
N18084736: CL50.2 JL2.15(26_EDP_AUX_CH_P)
N18084768: CL42.2 JL2.3(38_EDP_RX_3N)
N18084771: CL43.2 JL2.4(37_EDP_RX_3P)
N18084774: CL44.2 JL2.6(35_EDP_RX_2N)
N18084777: CL45.2 JL2.7(34_EDP_RX_2P)
N18084780: CL46.2 JL2.9(32_EDP_RX_1N)
N18084783: CL47.2 JL2.10(31_EDP_RX_1P)
N18084786: CL48.2 JL2.12(29_EDP_RX_0N)
N18084789: CL49.2 JL2.13(28_EDP_RX_0P)
N18084794: JL2.2(39_HGND5) JL2.5(36_H_GND4) JL2.8(33_H_GND3) JL2.11(30_H_GND2) JL2.14(27_H_GND1) JL2.17(24_H_GND0) RL174.2 RL175.2
N18085570: JL2.22(19_BIST) TP48.1(TP)
N18087944: CL53.1 CL54.1 JL2.36(5_BL_PWR_3) JL2.37(4_BL_PWR_2) JL2.38(3_BL_PWR_1) JL2.39(2_BL_PWR_0) RL192.2
N18092985: BV10.1 CV37.2 CV38.2 JV5.84(P84) JV5.86(P86) JV5.88(P88) JV5.90(P90)
N18092991: BV7.1 CV31.2 CV32.2 JV5.66(P66) JV5.68(P68) JV5.70(P70) JV5.72(P72)
N18095044: RA34.2 U1.AF1(MIC-DET)
N18107499: CA9.1 RA5.1 UA1.2(VREF/NC)
N18107551: CA10.1 RA7.1
N18107553: CA11.2 RA5.2 RA7.2 UA1.3(INN)
N18107555: CA11.1 RA9.1 RA35.2 UA1.4(INP)
N18107561: CA12.1 RA35.1
N18107664: RA6.1 RA9.2 UA1.5(OUTP)
N18107676: RA4.1 UA1.8(OUTN)
N18107823: BA1.1 RA1.2 RA2.2
N18108402: CA17.1 RA41.1 UA2.2(VREF/NC)
N18108444: CA18.1 RA37.1
N18108466: CA19.2 RA37.2 RA41.2 UA2.3(INN)
N18108468: CA19.1 RA38.2 RA42.1 UA2.4(INP)
N18108474: CA20.1 RA38.1
N18108577: RA39.1 RA42.2 UA2.5(OUTP)
N18108579: RA40.1 UA2.8(OUTN)
N18110855: CA28.2 RA45.1 RA46.1
N18110859: CA28.1 RA43.1 RA44.1
N18111147: CA35.2 RA49.1 RA50.1
N18111149: CA35.1 RA47.1 RA48.1
N18115204: DA14.2(CATHODE) JA6.1(SIGIN) RA51.2
N18153999: R34.2 U7.1(SDO)
N18154006: R33.1 U7.11(PS)
N18154026: R36.1 U7.6(INT2)
N18154494: C99.1 D7.2 J9.1 R32.2
N18154896: U6.3(LDR) U6.4(LEDK)
N18154924: C95.1 R30.1 U6.8(VDD)
N18156054: R268.1 TP63.1(TP)
N18156189: R269.1 TP61.1(TP)
N18156196: R270.1 TP65.1(TP)
N18156203: R271.1 TP64.1(TP)
N18157235: R276.1 TP57.1(TP)
N18157238: R277.1 TP56.1(TP)
N18157241: R278.1 TP59.1(TP)
N18157244: R279.1 TP58.1(TP)
N18157733: R280.1 TP23.1(TP)
N18157736: R282.1 TP24.1(TP)
N18157739: R281.1 TP26.1(TP)
N18157742: R283.1 TP27.1(TP)
N18174140: C141.1 D14.2(CATHODE) J43.2(TX/RX)
N18174142: C141.2 U8.1(IN)
N18174168: C142.1 U8.4(OUT)
N18174200: L1.2 U11.3(RFIN)
N18174202: C142.2 C143.1 L1.1
N18174264: B1.1 C144.1 C145.1 C146.1 U11.4(VCC) U11.5(SHDN)
N18174330: C147.2 C148.1 L2.1
N18174394: C154.1 R284.1 R285.1 U9.3(EN)
N18174411: B3.1 C150.1 C153.1 R367.1 U9.5(VOUT)
N18174477: C152.1 U9.4(BP)
N18174511: L2.2 U10.40(LNA_IN)
N18174517: C147.1 U11.6(RFOUT)
N18174542: C162.2 Y3.3(OUTPUT)
N18174693: B2.2 C159.2 U10.38(LDO_RF_OUT)
N18174727: B2.1 C160.2 C161.2 U10.1(VDD_ANA) U10.39(VDD_LNA)
N18174889: C166.2 R287.2 U10.7(VDD_IO)